# Altium PCB EL2086.PcbDoc (part 2 of 4)
Units mil, origin at the board's own origin, x right, y up, seen from the top; angles counter-clockwise.
Board outline 2480.31 x 1417.32 mil, 6 copper layers (L1_TOP, L2_GND, L3_HS, L4_POWER, L5_GND, L6_BOT), stack 61.6 mil thick; 259 components, 205 nets, 1000 pads, 534 vias.
Unrouted connection lines stored in the file: 92.
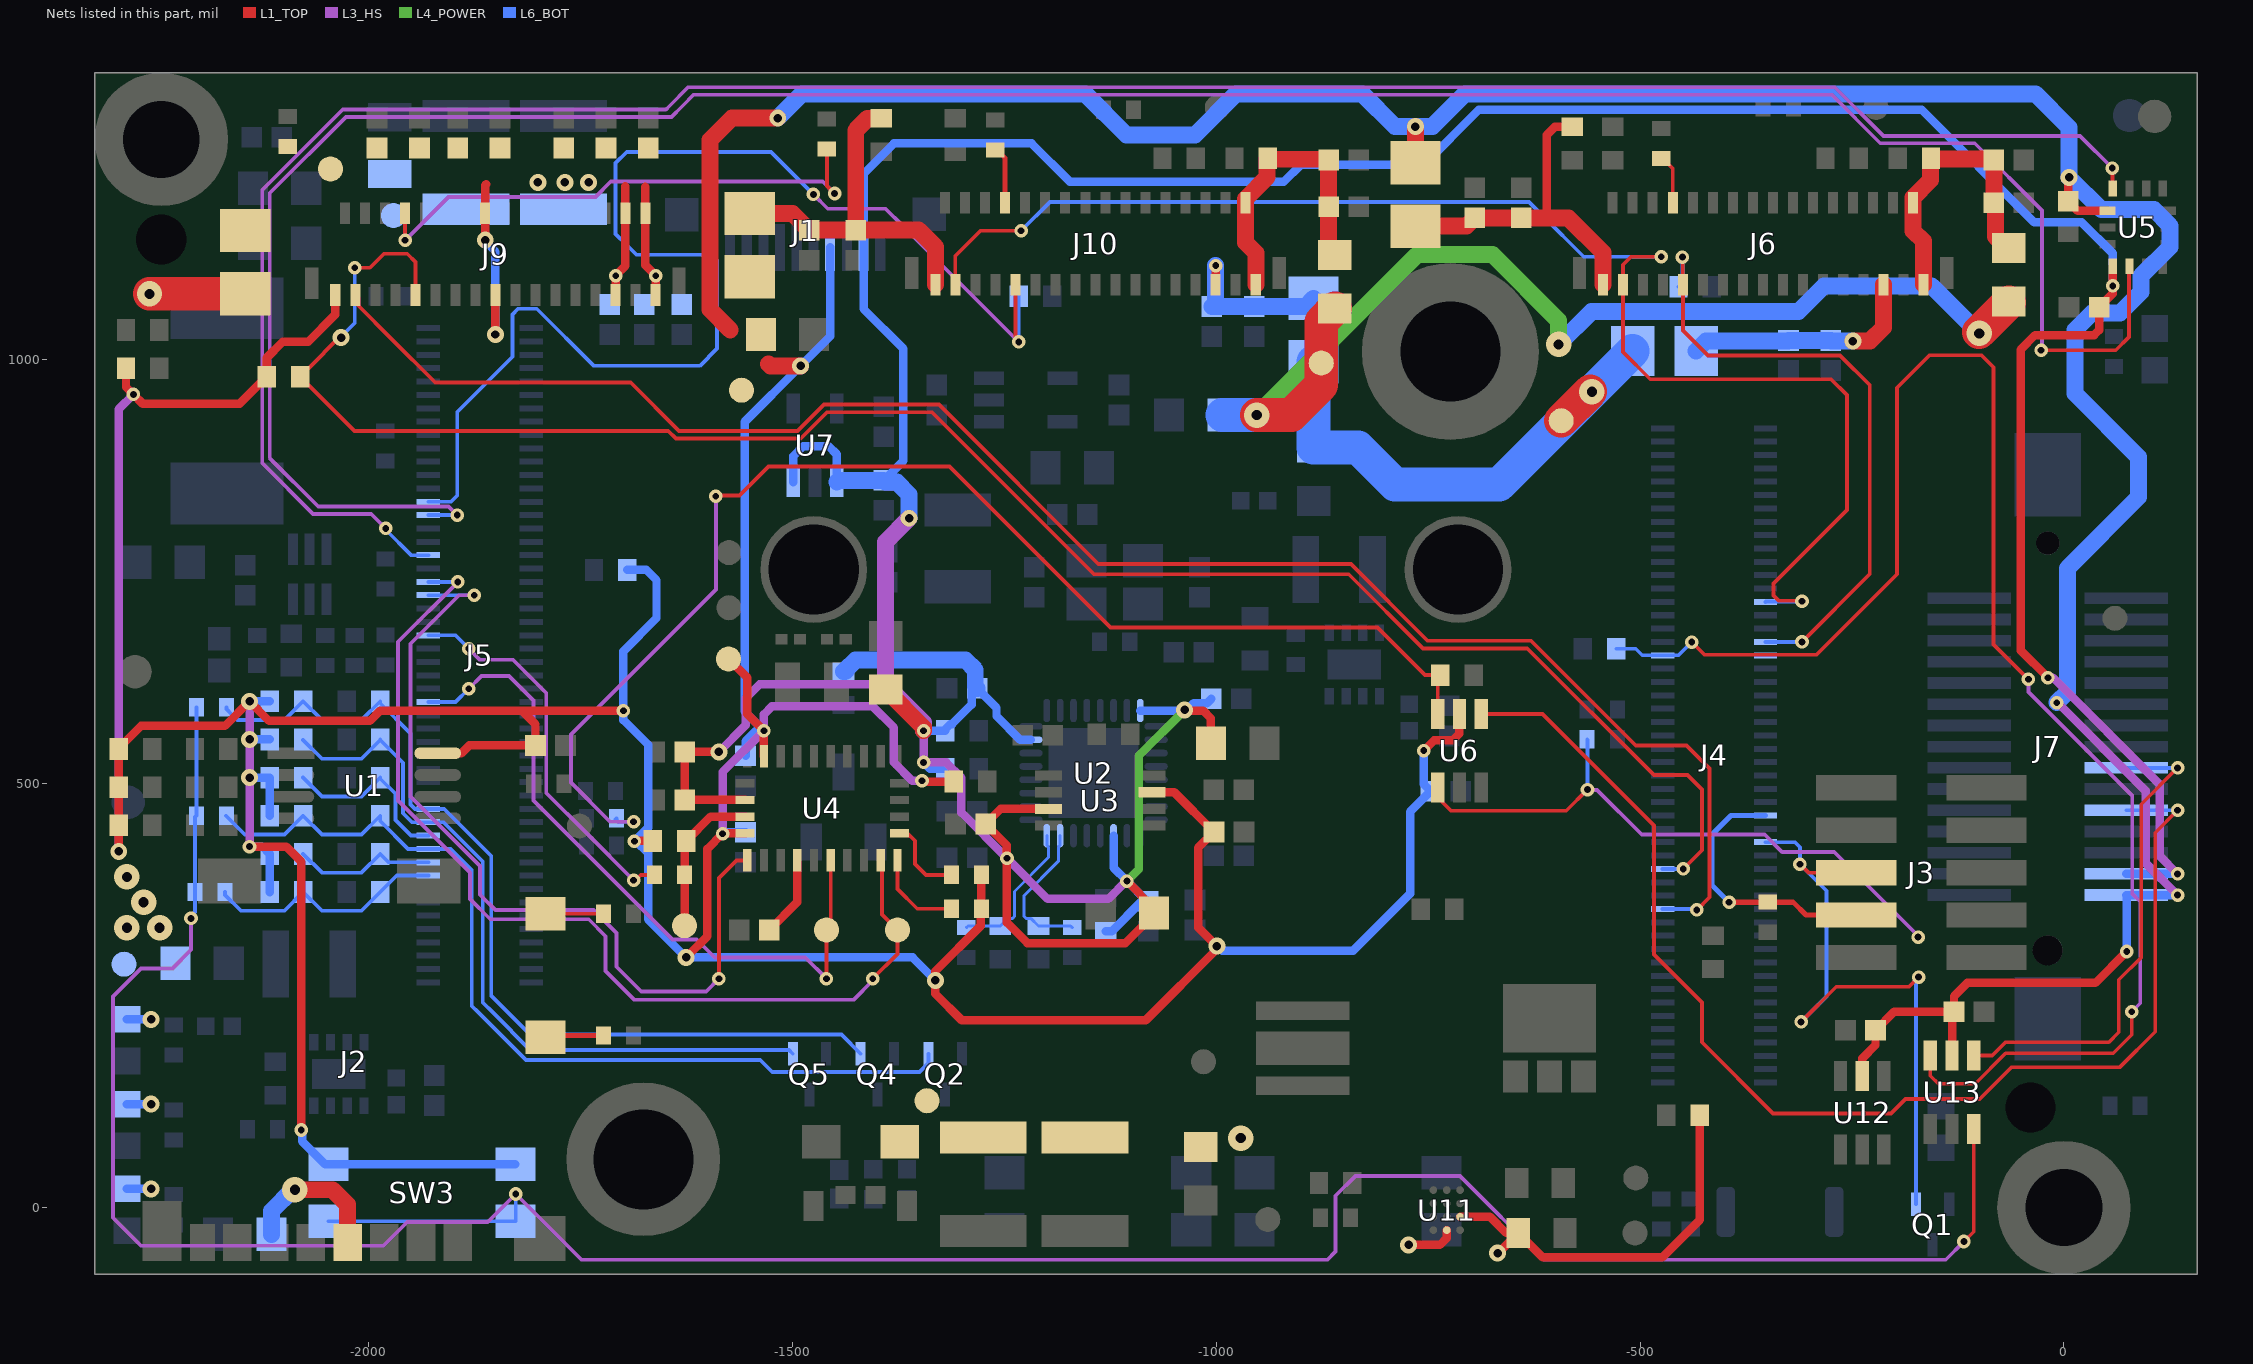
[diagram p6: the nets of this part, all layers, seen from the top]

## Footprints (in the part's own frame and the unit in brackets; to place one, negate y for a bottom-side part, rotate by r counter-clockwise, add the part's x,y. Pads: shape width x height; smd on the part's side, far side on the other; paste and mask are expansions set on the pad) (continued)
RTL8111Hx-CG [mm] "QFN, 32-Leads, Body 4.00x4.00mm, Pitch 0.40mm, Thermal Pad 2.70x2.70mm, IPC High Density"
  oval 0.7x0.2 smd mask+0.076: 1(-1.875,1.4) 2(-1.875,1) 3(-1.875,0.6) 4(-1.875,0.2) 5(-1.875,-0.2) 6(-1.875,-0.6) 7(-1.875,-1) 8(-1.875,-1.4) 17(1.875,-1.4) 18(1.875,-1) 19(1.875,-0.6) 20(1.875,-0.2) 21(1.875,0.2) 22(1.875,0.6) 23(1.875,1) 24(1.875,1.4)
  oval 0.2x0.7 smd mask+0.076: 9(-1.4,-1.875) 10(-1,-1.875) 11(-0.6,-1.875) 12(-0.2,-1.875) 13(0.2,-1.875) 14(0.6,-1.875) 15(1,-1.875) 16(1.4,-1.875) 25(1.4,1.875) 26(1,1.875) 27(0.6,1.875) 28(0.2,1.875) 29(-0.2,1.875) 30(-0.6,1.875) 31(-1,1.875) 32(-1.4,1.875)
  rect 2.7x2.7 smd paste-2 mask+0.076: 33(0,0)
  silkscreen extent -2.93,-2.15 2.15,2.15, body extent -2,-2 2,2, height 0.9
"SFH 4715AS" [mm] "OSLON Black Series (850 nm) - 80院ITEMGUID=B75731AB-EB05-4913-81CB-E99F8FC1D6BA"
  rect 2.8x0.55 smd: 1(0,-1.125) 2(0,1.125)
  rect 2.8x1 smd paste-1: 1(0,0)
  body extent -1.93,-1.93 1.93,1.93, height 2.4
SFV10R-2STE1HLF [mm] "CONN FFC TOP 10POS 0.50MM R/A"
  rect 0.305x1.405 smd: 1(-2.258,0.494) 1(-2.258,0.494) 2(-1.759,0.494) 3(-1.258,0.494) 4(-0.758,0.494) 5(-0.258,0.494) 6(0.242,0.494) 7(0.741,0.494) 8(1.242,0.494) 9(1.742,0.494) 10(2.242,0.494)
  rect 1x1 smd: 11(-3.707,-0.486) 12(3.708,-0.494)
  L1_TOP region: 3.942,-1.905 2.692,-1.905 2.692,0.395 3.942,0.395
  L1_TOP region: 5.341,-1.205 2.691,-1.205 2.691,-0.105 5.341,-0.105
  L1_TOP region: 4.641,-1.205 2.691,-1.205 2.691,0.395 4.641,0.395
  L1_TOP region: -4.658,0.394 -2.708,0.394 -2.708,-1.206 -4.658,-1.206
  L1_TOP region: -5.358,-0.105 -2.708,-0.105 -2.708,-1.205 -5.358,-1.205
  L1_TOP region: -3.958,0.395 -2.708,0.395 -2.708,-1.906 -3.958,-1.906
  Keep-Out Layer region: 5.594,-5.708 5.594,-3.973 -5.611,-3.973 -5.611,-5.708
  body extent -5.26,-4.01 5.24,0.89, height 1.82
SMD-0805 [mm] "Chip Inductor, 2-Leads, Body 2.0x1.2mm"
  rect 1.15x1 smd: 1(-1.175,0) 2(1.175,0)
  body extent -1,-0.6 1,0.6, height 0.89
SML_D1XX8W [mm] "Rohm LED SML_D1 series - Chip Diode, 2-Leads, Body 1.60x0.80mm, IPC High Density"
  rect 0.8x0.8 smd: 1(-0.625,0) 2(0.625,0)
  silkscreen extent -1.3,-0.5 -1.3,0.5, body extent -0.8,-0.4 0.8,0.4, height 0.6
TL3780AF240QG-Footprint-1 [mm]
  rrect50% 0.55x1.5 smd: 1(-1.625,0) 2(1.625,0)
  silkscreen extent -1.65,-1.22 1.65,1.22, body extent -1.75,-1 1.75,1, height 0.6
TLV62080DSG [mm] "WSON-8, 2.1mm x 2.1mm x 0.8mm"
  rect 0.5x0.28 smd mask+0.102: 1(-0.95,0.75) 2(-0.95,0.25) 3(-0.95,-0.25) 4(-0.95,-0.75) 5(0.95,-0.75) 6(0.95,-0.25) 7(0.95,0.25) 8(0.95,0.75)
  rect 0.9x1.6 smd mask+0.102: 9(0,0)
  silkscreen extent -1.4,1.07 -1.35,1.13, body extent -1.05,-1.05 1.05,1.05, height 0.8
TLV70018DCK [mm] "SC70-5 1.1mm"
  rect 0.4x0.9 smd paste-0.025 mask+0.05: 1(-0.65,-1.1) 2(0,-1.1) 3(0.65,-1.1) 4(0.65,1.1) 5(-0.65,1.1)
  silkscreen extent -1.17,-1.63 -1.12,-1.57, body extent -1.1,-1.2 1.1,1.2, height 1.1
TLV70028DCK [mm] "SC70-5 1.1mm"
  rect 0.4x0.9 smd paste-0.025 mask+0.05: 1(-0.65,-1.1) 2(0,-1.1) 3(0.65,-1.1) 4(0.65,1.1) 5(-0.65,1.1)
  silkscreen extent -1.17,-1.63 -1.12,-1.57, body extent -1.1,-1.2 1.1,1.2, height 1.1
TP075_150_NS [mm] "0.75mm dia pad, 1.5mm dia clearance, no silk screen"
  round 0.75 smd paste-2: 1(0,0)
TPS564247DRLR-Footprint-1 [mm]
  rect 0.95x0.3 smd: 1(-0.75,0.5) 2(-0.75,0) 3(-0.75,-0.5) 4(0.75,-0.5) 5(0.75,0) 6(0.75,0.5)
  silkscreen extent -1.22,1 -0.28,1, body extent -0.8,-0.8 0.8,0.8, height 0.6
TXS0102DCUR [mm] "TSSOP, 8-Leads, Body 2.00x2.30mm, Pitch 0.50mm"
  rect 0.8x0.3 smd mask+0.05: 1(-1.55,0.75) 2(-1.55,0.25) 3(-1.55,-0.25) 4(-1.55,-0.75) 5(1.55,-0.75) 6(1.55,-0.25) 7(1.55,0.25) 8(1.55,0.75)
  silkscreen extent -1.7,-1.05 0.8,1.55, body extent -1.55,-1.05 1.55,1.05, height 0.9
XDCR_BMI270 [mm]
  rect 0.475x0.25 smd: 1(-1.162,0.75) 2(-1.162,0.25) 3(-1.162,-0.25) 4(-1.162,-0.75) 8(1.162,-0.75) 9(1.162,-0.25) 10(1.162,0.25) 11(1.162,0.75)
  rect 0.25x0.475 smd: 5(-0.5,-0.913) 6(0,-0.913) 7(0.5,-0.913) 12(0.5,0.913) 13(0,0.913) 14(-0.5,0.913)
  silkscreen extent -2.07,-1.25 1.5,1.25, body extent -1.5,-1.25 1.5,1.25, height 0.87

## Part data
B1: library part CMP-011-00023-1, "Keypad Switch, 1 Switches, SPST, Momentary-tactile, 0.05A, 12VDC, 2.35N, Solder Terminal, Surface Mount-straight", Manufacturer 1=E-Switch, Manufacturer Part Number 1=TL3780AF240QG
C1 C3 C5 C7 C8: library part CMP-004-000020-4, "CAP CER 4.7UF 16V X5R 0603 10%", Case/Package=0603, Dielectric=X5R, Manufacturer 1=Murata, Max Operating Temperature=85°C, Min Operating Temperature=-55°C, Tolerance=10%, Voltage Rating=16V, ComponentLink1Description=https://datasheet.ciiva.com/14813/595grm188r61c475kaaj23-14813668.pdf?src-supplier=Arrow, ComponentLink1URL=https://datasheet.ciiva.com/14813/595grm188r61c475kaaj23-14813668.pdf?src-supplier=Arrow, Depth=0.8mm, Design Item ID=GRM188R61C475KAAJD, Height=0.8mm, Length=1.6mm, Manufacturer 2=Murata, Manufacturer 3=Murata, Manufacturer Part Number 1=GRM188R61C475KAAJD, Manufacturer Part Number 2=GRM188R61C475KAAJD, Manufacturer Part Number 3=GRM188R61C475KAAJD, Mounting Technology=SMT, Width=0.8mm
C2 C4 C6 C11 C12 C13 C14 C15 C16 C17 C18 C19 C20 C24 C26 C27 C30 C31 C33 C35 C37 C38 C39 C43 C48 C50 C100 C103 C106 C108 C110: library part CMP-108-000002-6, "CAP CER 0.1UF 16V X7R 0402 10%", Case/Package=0402, Dielectric=X7R, Manufacturer 1=Samsung, Max Operating Temperature=125°C, Min Operating Temperature=-55°C, Tolerance=10%, Voltage Rating=16V, ComponentLink1Description=https://datasheet.ciiva.com/25767/cl05b104ko5nfnc-25767124.pdf?src-supplier=Digi-Key, ComponentLink1URL=https://datasheet.ciiva.com/25767/cl05b104ko5nfnc-25767124.pdf?src-supplier=Digi-Key, Depth=0.5mm, Design Item ID=CL05B104KO5NFNC, Height=0.5mm, Length=1mm, Manufacturer Part Number 1=CL05B104KO5NFNC, Mounting Technology=SMT, Width=0.02inch
C9 C10 C40 C41 C44 C45: library part CMP-108-000014-5, "CAP CER 1UF 25V X5R 0402 10%", Case/Package=0402, Dielectric=X5R, Manufacturer 1=Murata, Max Operating Temperature=85°C, Min Operating Temperature=-55°C, Tolerance=10%, Voltage Rating=25V, ComponentLink1Description=https://datasheet.ciiva.com/22732/1666664-22732122.pdf?src-supplier=Element14, ComponentLink1URL=https://datasheet.ciiva.com/22732/1666664-22732122.pdf?src-supplier=Element14, ComponentLink2Description=https://datasheet.ciiva.com/7719/1666664-7719006.pdf?src-supplier=Element14, ComponentLink2URL=https://datasheet.ciiva.com/7719/1666664-7719006.pdf?src-supplier=Element14, Depth=0.5mm, Design Item ID=GRM155R61E105KA12D, Height=0.5mm, Length=1mm, Manufacturer Part Number 1=GRM155R61E105KA12D, Mounting Technology=SMT, Width=0.5mm
C21 C22: library part CMP-108-000006-6, "CAP CER 27PF 50V C0G 0402 5%", Case/Package=0402, Dielectric=C0G, Manufacturer 1=KEMET, Max Operating Temperature=125°C, Min Operating Temperature=-55°C, Tolerance=5%, Voltage Rating=50V, ComponentLink1Description=https://datasheet.ciiva.com/144/docfinderpartnumber-c0402c270j5gactu-144118.pdf?src-supplier=Digi-Key, ComponentLink1URL=https://datasheet.ciiva.com/144/docfinderpartnumber-c0402c270j5gactu-144118.pdf?src-supplier=Digi-Key, ComponentLink2Description=https://datasheet.ciiva.com/7747/kem-c1003-c0g-smd-7747509.pdf?src-supplier=Element14, ComponentLink2URL=https://datasheet.ciiva.com/7747/kem-c1003-c0g-smd-7747509.pdf?src-supplier=Element14, ComponentLink3Description=https://datasheet.ciiva.com/26847/getdatasheetpartid-408632-26847386.pdf?src-supplier=Verical, ComponentLink3URL=https://datasheet.ciiva.com/26847/getdatasheetpartid-408632-26847386.pdf?src-supplier=Verical, ComponentLink4Description=https://datasheet.ciiva.com/7392/1372242-7392237.pdf?src-supplier=Newark, ComponentLink4URL=https://datasheet.ciiva.com/7392/1372242-7392237.pdf?src-supplier=Newark, ComponentLink5Description=https://datasheet.ciiva.com/14586/70095383-14586671.pdf?src-supplier=Allied+Electronics, ComponentLink5URL=https://datasheet.ciiva.com/14586/70095383-14586671.pdf?src-supplier=Allied+Electronics, Depth=0.5mm, Design Item ID=C0402C270J5GACTU, Height=0.5mm, Length=1mm, Manufacturer Part Number 1=C0402C270J5GACTU, Mounting Technology=SMT, Width=0.5mm
C23 C25 C32 C34 C36 C56 C57 C60 C61 C62 C105 C107 C109: library part CMP-004-000009-5, "CAP CER 10UF 6.3V X5R 0402 20%", Case/Package=0402, Dielectric=X5R, Manufacturer 1=Murata, Max Operating Temperature=85°C, Min Operating Temperature=-55°C, Tolerance=20%, Voltage Rating=6.3V, ComponentLink1Description=https://www.murata.com/~/media/webrenewal/support/library/catalog/products/capacitor/mlcc/c02e.ashx?la=en-us&src-supplier=Digi-Key, ComponentLink1URL=https://www.murata.com/~/media/webrenewal/support/library/catalog/products/capacitor/mlcc/c02e.ashx?la=en-us&src-supplier=Digi-Key, Design Item ID=GRM155R60J106ME15D, Length=0.039inch, Manufacturer Part Number 1=GRM155R60J106ME15D, Mounting Technology=SMT, Width=0.02inch
C28 C29: library part CMP-004-000003-6, "CAP CER 18PF 25V C0G 0201 10%", Case/Package=0201, Dielectric=C0G, Manufacturer 1=Murata, Max Operating Temperature=125°C, Min Operating Temperature=-55°C, Tolerance=1%, Voltage Rating=25V, ComponentLink1Description=https://datasheet.ciiva.com/29538/partnumbering-e-01-29538328.pdf?src-supplier=Digi-Key, ComponentLink1URL=https://datasheet.ciiva.com/29538/partnumbering-e-01-29538328.pdf?src-supplier=Digi-Key, Design Item ID=GRM0335C1E180FA01D, Height=0.3mm, Length=0.024inch, Manufacturer Part Number 1=GRM0335C1E180FA01D, Mounting Technology=SMT, Width=0.3mm
C42 C47: library part CMP-001-00125-4, "CAP CER 10UF 10V X5R 0402 20%", Case/Package=0402, Dielectric=X5R, Manufacturer 1=Murata, Tolerance=20%, Voltage Rating=10V, Manufacturer Part Number 1=GRM155R61A106ME11D, Mounting Technology=SMT
C46 C49: library part CMP-001-00163-4, "CAP CER 22UF 6.3V X5R 0402 20%", Case/Package=0402, Manufacturer 1=Samsung, Tolerance=20%, Voltage Rating=6.3V, Manufacturer Part Number 1=CL05A226MQ5N6J8, Mounting Technology="Surface Mount"
C58 C59 C63 C64 C65: library part CMP-108-000015-5, "CAP CER 0.1UF 10V X7R 0402 5%", Case/Package=0402, Dielectric=X7R, Manufacturer 1=Murata, Max Operating Temperature=125°C, Min Operating Temperature=-55°C, Tolerance=5%, Voltage Rating=10V, ComponentLink1Description=https://datasheet.ciiva.com/5411/product-5411135.pdf?src-supplier=Mouser, ComponentLink1URL=https://datasheet.ciiva.com/5411/product-5411135.pdf?src-supplier=Mouser, ComponentLink2Description=https://datasheet.ciiva.com/11618/c02e-11618821.pdf?src-supplier=Avnet, ComponentLink2URL=https://datasheet.ciiva.com/11618/c02e-11618821.pdf?src-supplier=Avnet, Depth=0.5mm, Design Item ID=GRM155R71A104JA01D, Height=0.5mm, Length=1mm, Manufacturer Part Number 1=GRM155R71A104JA01D, Mounting Technology=SMT, Width=0.02inch
C66 C67 C81 C82: library part CMP-050-000000-4, "CAP TAL 150UF 10V 20%", Capacitor Type=Tantalum, Case/Package=1411, Manufacturer 1="Kyocera AVX", Max Operating Temperature=125°C, Min Operating Temperature=-55°C, Tolerance=20%, Voltage Rating=10V, ComponentLink1Description=https://datasheet.ciiva.com:443/pdfs/VipMasterIC/IC/AVXC/AVXC-S-A0008508048/AVXC-S-A0008508048-1.pdf?src-supplier=IHS+Markit, ComponentLink1URL=https://datasheet.ciiva.com:443/pdfs/VipMasterIC/IC/AVXC/AVXC-S-A0008508048/AVXC-S-A0008508048-1.pdf?src-supplier=IHS+Markit, ComponentLink2Description=https://datasheet.ciiva.com/264/tlj-264786.pdf?src-supplier=Digi-Key, ComponentLink2URL=https://datasheet.ciiva.com/264/tlj-264786.pdf?src-supplier=Digi-Key, ComponentLink3Description=https://datasheet.ciiva.com/264/tlj-264787.pdf?src-supplier=Digi-Key, ComponentLink3URL=https://datasheet.ciiva.com/264/tlj-264787.pdf?src-supplier=Digi-Key, ComponentLink4Description=https://datasheet.ciiva.com/264/tlj-264788.pdf?src-supplier=Digi-Key, ComponentLink4URL=https://datasheet.ciiva.com/264/tlj-264788.pdf?src-supplier=Digi-Key, ComponentLink5Description=https://datasheet.ciiva.com/46385/1910903-46385237.pdf?src-supplier=Element14, ComponentLink5URL=https://datasheet.ciiva.com/46385/1910903-46385237.pdf?src-supplier=Element14, ComponentLink6Description=https://datasheet.ciiva.com/28515/tlj-28515528.pdf?src-supplier=Element14, ComponentLink6URL=https://datasheet.ciiva.com/28515/tlj-28515528.pdf?src-supplier=Element14, ComponentLink7Description=https://datasheet.ciiva.com/7773/1533257-7773833.pdf?src-supplier=Element14, ComponentLink7URL=https://datasheet.ciiva.com/7773/1533257-7773833.pdf?src-supplier=Element14, ComponentLink8Description=https://datasheet.ciiva.com/14593/70001364-14593673.pdf?src-supplier=Allied+Electronics, ComponentLink8URL=https://datasheet.ciiva.com/14593/70001364-14593673.pdf?src-supplier=Allied+Electronics, ComponentLink9Description=https://datasheet.ciiva.com/14606/70001364-14606409.pdf?src-supplier=Allied+Electronics, ComponentLink9URL=https://datasheet.ciiva.com/14606/70001364-14606409.pdf?src-supplier=Allied+Electronics, ComponentLink10Description=https://datasheet.ciiva.com/7773/1533257-7773834.pdf?src-supplier=Element14, ComponentLink10URL=https://datasheet.ciiva.com/7773/1533257-7773834.pdf?src-supplier=Element14, ComponentLink11Description=https://datasheet.ciiva.com/11229/tlj-11229389.pdf?src-supplier=Avnet, ComponentLink11URL=https://datasheet.ciiva.com/11229/tlj-11229389.pdf?src-supplier=Avnet, ComponentLink12Description=https://datasheet.ciiva.com/17339/tlj-17339422.pdf?src-supplier=Avnet+Europe, ComponentLink12URL=https://datasheet.ciiva.com/17339/tlj-17339422.pdf?src-supplier=Avnet+Europe, Design Item ID=TLJB157M010R0500, Height=1.9mm, Length=3.5mm, Manufacturer Part Number 1=TLJB157M010R0500, Mounting Technology=SMT, Polarity=Polarized, Width=2.8mm
C77 C78: library part CMP-004-000018-4, "CAP CER 10UF 10V X5R 0603 20%", Case/Package=0603, Dielectric=X5R, Manufacturer 1=Murata, Max Operating Temperature=85°C, Min Operating Temperature=-55°C, Tolerance=20%, Voltage Rating=10V, ComponentLink1Description=http://www.mouser.com/ds/2/281/c02e-2905.pdf?src-supplier=Mouser, ComponentLink1URL=http://www.mouser.com/ds/2/281/c02e-2905.pdf?src-supplier=Mouser, ComponentLink2Description=http://components.arrow.com/part/dataview/0323_06119472?src-supplier=Arrow+Europe, ComponentLink2URL=http://components.arrow.com/part/dataview/0323_06119472?src-supplier=Arrow+Europe, ComponentLink3Description=http://www.farnell.com/datasheets/2048014.pdf?src-supplier=Farnell, ComponentLink3URL=http://www.farnell.com/datasheets/2048014.pdf?src-supplier=Farnell, ComponentLink4Description=http://www.farnell.com/datasheets/1872210.pdf?src-supplier=Farnell, ComponentLink4URL=http://www.farnell.com/datasheets/1872210.pdf?src-supplier=Farnell, ComponentLink5Description=http://search.murata.co.jp/Ceramy/image/img/A01X/G101/ENG/GRM188R61A106ME69-01.pdf?src-supplier=Digi-Key, ComponentLink5URL=http://search.murata.co.jp/Ceramy/image/img/A01X/G101/ENG/GRM188R61A106ME69-01.pdf?src-supplier=Digi-Key, ComponentLink6Description=http://www.farnell.com/datasheets/1872210.pdf?src-supplier=Newark, ComponentLink6URL=http://www.farnell.com/datasheets/1872210.pdf?src-supplier=Newark, ComponentLink7Description=http://www.farnell.com/datasheets/2048014.pdf?src-supplier=Element14, ComponentLink7URL=http://www.farnell.com/datasheets/2048014.pdf?src-supplier=Element14, ComponentLink8Description=http://www.farnell.com/datasheets/2048014.pdf?src-supplier=Newark, ComponentLink8URL=http://www.farnell.com/datasheets/2048014.pdf?src-supplier=Newark, Depth=0.8mm, Design Item ID=GRM188R61A106ME69D, Height=0.8mm, Length=1.6mm, Manufacturer Part Number 1=GRM188R61A106ME69D, Mounting Technology=SMT, Width=0.8mm
C80 C83 C101 C102: library part CMP-108-000020-4, "CAP CER 22UF 10V X5R 0603 20%", Case/Package=0603, Dielectric=X5R, Manufacturer 1=Murata, Max Operating Temperature=85°C, Min Operating Temperature=-55°C, Tolerance=20%, Voltage Rating=10V, ComponentLink1Description=https://datasheet.ciiva.com/46444/1769893-46444975.pdf?src-supplier=Element14, ComponentLink1URL=https://datasheet.ciiva.com/46444/1769893-46444975.pdf?src-supplier=Element14, Depth=0.8mm, Design Item ID=GRM188R61A226ME15D, Height=0.8mm, Length=1.6mm, Manufacturer Part Number 1=GRM188R61A226ME15D, Mounting Technology=SMT, Width=0.8mm
C104: library part CMP-001-00100-6, "CAP CER 33pF 50V C0G 0402 5%", Capacitor Type=Ceramic, Case/Package=0402, Dielectric=C0G, Manufacturer 1=Murata, Tolerance=5%, Voltage Rating=50V, Manufacturer Part Number 1=GCM1555C1H330JA16D, Mounting Technology=SMT
D1: library part CMP-111-000003-2, "LED ORANGE DIFFUSED 0603 SMD Orange 605nm LED Indication - Discrete 2.2V 0603 (1608 Metric)", Case/Package=0603, Color=Orange, Forward Current=20mA, Forward Voltage=2.2V, Manufacturer 1=Rohm, Max Operating Temperature=85°C, Min Operating Temperature=-40°C, Manufacturer Part Number 1=SML-D12D8WT86
D2: library part CMP-111-000005-2, "LED RED DIFFUSED 0603 SMD Red 620nm LED Indication - Discrete 2.2V 0603 (1608 Metric)", Case/Package=0603, Color=Red, Forward Current=20mA, Forward Voltage=2.2V, Manufacturer 1=Rohm, Max Operating Temperature=85°C, Min Operating Temperature=-40°C, Manufacturer Part Number 1=SML-D12U8WT86
D3: library part CMP-007-00038-2, "Triple Color LED", Case/Package=1204, Colour=RGB, Forward Current=20mA, Manufacturer 1="Wurth Elektronik", Max Current Rating=30mA, Manufacturer Part Number 1=155124M173200, Viewing Angle=120°
D4 D18 D19: library part CMP-111-000004-2, "LED GREEN DIFFUSED 0603 SMD Green 572nm LED Indication - Discrete 2.2V 0603 (1608 Metric)", Case/Package=0603, Color=Green,Yellow, Forward Current=20mA, Forward Voltage=2.2V, Manufacturer 1=Rohm, Max Operating Temperature=85°C, Min Operating Temperature=-40°C, Manufacturer Part Number 1=SML-D12M8WT86
D7: library part CMP-004-00032-3, "Dot-Pattern Infrared Illuminator for 3D Stereoscopic / Imaging AQAA-20", Manufacturer Part Number 1="Belago1.1 AQAA-20"
D8: library part CMP-004-00043-2, "OSLON Black Series (940 nm) - 80°", Manufacturer Part Number 1="SFH 4725AS A01"
FB1 FB2 FB3 FB4 FB5: library part CMP-082-000000-2, "FERRITE BEAD, 0.1OHM, 2A, 0805, 600R/100MHz", Case/Package=0805, Current Rating=2A, Manufacturer 1=Fair-Rite, Tolerance=25%, Manufacturer Part Number 1=2508056017Y2
FID1 FID2 FID3 FID4: library part FIDUCIAL, "Fiducial with various available footprints"
J1: library part CMP-005-000024-3, "CONN FFC TOP 10POS 0.50MM R/A", Manufacturer 1="Amphenol FCI", Max Operating Temperature=105°C, Min Operating Temperature=-55°C, Voltage Rating=50V, Gender=Female, Manufacturer Part Number 1=SFV10R-2STE1HLF, Mount="Surface Mount", Orientation="Right Angle", Pins=10, Pitch=0.5mm
J2: library part 104031-0811, "CONN MICRO SD CARD PUSH-PULL R/A", Manufacturer 1=Molex, Supplier Part Number 1=WM6357CT-ND, Manufacturer Part Number 1=104031-0811, Pricing 1="1=2.02000, 10=1.82900, 25=1.71680, 50=1.64220, 100=1.56760, 250=1.41828, 500=1.30630, 1000=1.11969 (USD)", RoHS=Yes, Stock 1=19400, Supplier 1=Digi-Key, Supplier 2=Newark, Supplier 3=Mouser, Supplier Part Number 2=99R5410, Supplier Part Number 3=538-104031-0811
J3: "CONN HEADER SMD 10POS 1.27MM", Color=Black, Contact Resistance=30mR, Manufacturer 1="Amphenol FCI", Max Operating Temperature=85°C, Max Voltage Rating (AC)=125V, Min Operating Temperature=-40°C, Package Quantity=93, Supplier Part Number 1=609-6529-ND, ComponentLink1Description=https://datasheet.ciiva.com/18659/20021121-18659066.pdf?src-supplier=Digi-Key, ComponentLink1URL=https://datasheet.ciiva.com/18659/20021121-18659066.pdf?src-supplier=Digi-Key, ComponentLink2Description=https://datasheet.ciiva.com/10033/20021121-10033582.pdf?src-supplier=Avnet, ComponentLink2URL=https://datasheet.ciiva.com/10033/20021121-10033582.pdf?src-supplier=Avnet, Connector Type="Male Pin", Contact Material="Copper Alloy", Contact Mating Length=0.12inch, Contact Plating=Gold, Depth=3.4mm, Housing Color=Black, Housing Material=Thermoplastic, Length=6.35mm, Manufacturer Part Number 1=20021121-00010T1LF, Mount="Surface Mount", Number of Contacts=10, Number of Positions=10, Number of Rows=2, Orientation=Straight, Packaging=Rail/Tube, Pitch=1.27mm, Pricing 1="1=0.77000, 10=0.71800, 100=0.55040, 500=0.47860, 1000=0.39485, 5000=0.34699, 10000=0.32306 (USD)", RoHS=Yes, Row Spacing=0.05inch, Stock 1=1465, Supplier 1=Digi-Key, Supplier 2=Mouser, Supplier 3=TTI, Supplier Part Number 2=649-200211210010T1LF, Supplier Part Number 3=20021121-00010T1LF, Termination=Solder
J4: library part CMP-005-000052-4, "OAK-SoM-Pro base board conn. A", Manufacturer 1=Hirose, Manufacturer Part Number 1=DF40HC(3.0)-100DS-0.4V(58), Package Quantity=1000, ComponentLink1Description=https://datasheet.ciiva.com/46636/ed-df40-20140305-46636517.pdf?src-supplier=Digi-Key, ComponentLink1URL=https://datasheet.ciiva.com/46636/ed-df40-20140305-46636517.pdf?src-supplier=Digi-Key, ComponentLink2Description=https://datasheet.ciiva.com/18562/ed-df40-20140305-18562189.pdf?src-supplier=Digi-Key, ComponentLink2URL=https://datasheet.ciiva.com/18562/ed-df40-20140305-18562189.pdf?src-supplier=Digi-Key, ComponentLink3Description=https://datasheet.ciiva.com/13559/ed-df40-20140305-13559540.pdf?src-supplier=Mouser, ComponentLink3URL=https://datasheet.ciiva.com/13559/ed-df40-20140305-13559540.pdf?src-supplier=Mouser, ComponentLink4Description=https://datasheet.ciiva.com/18562/ed-df40-20140305-18562462.pdf?src-supplier=Digi-Key, ComponentLink4URL=https://datasheet.ciiva.com/18562/ed-df40-20140305-18562462.pdf?src-supplier=Digi-Key, Connector Type=Receptacle, Contact Plating=Gold, Design Item ID=DF40HC(3.0)-100DS-0.4V_SoM-PRO_A, Lead Free="Lead Free", Mount="Surface Mount", Number of Positions=100, Number of Rows=2, Packaging="Tape and Reel", Pins=100, Pitch=0.016inch, Pricing 1="1=2.54000, 10=2.26000, 25=2.07000, 50=2.07000, 100=1.98000, 250=1.79000, 500=1.65000, 1000=1.41000, 3000=1.32000, 6000=1.23000, 10000=1.23000 (USD)", Pricing 2="1=2.50000, 10=2.40000, 25=2.10000, 50=2.10000, 100=2.00000, 250=1.76000, 500=1.71000, 1000=1.45000, 2000=1.36000, 5000=1.31000, 10000=1.31000 (USD)", RoHS=Yes, Source=LuxonisMaster.SchLib, Stock 1=2172, Stock 2=2078, System=Connector
J5: library part CMP-005-000053-5, "OAK-SoM-Pro base board conn. B", Manufacturer 1=Hirose, Manufacturer Part Number 1=DF40HC(3.0)-100DS-0.4V(58), Package Quantity=1000, ComponentLink1Description=https://datasheet.ciiva.com/46636/ed-df40-20140305-46636517.pdf?src-supplier=Digi-Key, ComponentLink1URL=https://datasheet.ciiva.com/46636/ed-df40-20140305-46636517.pdf?src-supplier=Digi-Key, ComponentLink2Description=https://datasheet.ciiva.com/18562/ed-df40-20140305-18562189.pdf?src-supplier=Digi-Key, ComponentLink2URL=https://datasheet.ciiva.com/18562/ed-df40-20140305-18562189.pdf?src-supplier=Digi-Key, ComponentLink3Description=https://datasheet.ciiva.com/13559/ed-df40-20140305-13559540.pdf?src-supplier=Mouser, ComponentLink3URL=https://datasheet.ciiva.com/13559/ed-df40-20140305-13559540.pdf?src-supplier=Mouser, ComponentLink4Description=https://datasheet.ciiva.com/18562/ed-df40-20140305-18562462.pdf?src-supplier=Digi-Key, ComponentLink4URL=https://datasheet.ciiva.com/18562/ed-df40-20140305-18562462.pdf?src-supplier=Digi-Key, Connector Type=Receptacle, Contact Plating=Gold, Design Item ID=DF40HC(3.0)-100DS-0.4V_SoM-PRO_B, Lead Free="Lead Free", Mount="Surface Mount", Number of Positions=100, Number of Rows=2, Packaging="Tape and Reel", Pins=100, Pitch=0.016inch, Pricing 1="1=2.54000, 10=2.26000, 25=2.07000, 50=2.07000, 100=1.98000, 250=1.79000, 500=1.65000, 1000=1.41000, 3000=1.32000, 6000=1.23000, 10000=1.23000 (USD)", Pricing 2="1=2.50000, 10=2.40000, 25=2.10000, 50=2.10000, 100=2.00000, 250=1.76000, 500=1.71000, 1000=1.45000, 2000=1.36000, 5000=1.31000, 10000=1.31000 (USD)", RoHS=Yes, Source=LuxonisMaster.SchLib, Stock 1=2172, Stock 2=2078, System=Connector
J6 J10: library part AC_PY003-OV9282_CON, "FFC/FPC Connector, 33 Contact(s), 1 Row(s), Female, Right Angle, Surface Mount Terminal", Manufacturer 1=Hirose, Supplier Part Number 1=H125800CT-ND, Category="FFC / FPC", ComponentLink1Description=https://datasheet.ciiva.com:443/pdfs/VipMasterIC/IC/HIRO/HIRO-S-A0007913874/HIRO-S-A0008593114-1.pdf?src-supplier=IHS+Markit, ComponentLink1URL=https://datasheet.ciiva.com:443/pdfs/VipMasterIC/IC/HIRO/HIRO-S-A0007913874/HIRO-S-A0008593114-1.pdf?src-supplier=IHS+Markit, ComponentLink2Description=https://www.hirose.com/product/en/download_file/key_name/FH26/category/Catalog/doc_file_id/49355/?file_category_id=4&item_id=298&is_series=1&src-supplier=Digi-Key, ComponentLink2URL=https://www.hirose.com/product/en/download_file/key_name/FH26/category/Catalog/doc_file_id/49355/?file_category_id=4&item_id=298&is_series=1&src-supplier=Digi-Key, ComponentLink3Description=https://www.hirose.com/product/download/?distributor=digikey&amp;type=2d&amp;lang=en&amp;num=FH26W-13S-0.3SHW(60)&src-supplier=Digi-Key, ComponentLink3URL=https://www.hirose.com/product/download/?distributor=digikey&amp;type=2d&amp;lang=en&amp;num=FH26W-13S-0.3SHW(60)&src-supplier=Digi-Key, Manufacturer Part Number 1=FH26W-33S-0.3SHW(60), Pricing 1="1=1,78000, 10=1,61700, 25=1,51800, 50=1,45200, 100=1,38600, 250=1,25400, 500=1,15500, 1000=0,99000, 2500=0,92400 (USD)", RoHS=Yes, Stock 1=627, Supplier 1=Digi-Key
J7: library part CMP-002-00150-2, "CONN, Board-to-Board Connector, Mezzanine, 0.635mm pitch, 2x15, 30 positions, Receptacle, Mated height 12 to 16mm", Manufacturer 1=Molex, Max Current Rating=500mA, Max Operating Temperature=105°C, Min Operating Temperature=-55°C, Voltage Rating=100V, Connector Type="BOARD STACKING CONNECTOR", Manufacturer Part Number 1=529010374, Mounting Technology=Board, Pins=2x15
J9: library part CMP-002-00132-2, "FFC/FPC Connector, 33 Contact(s), 1 Row(s), Female, Right Angle, Surface Mount Terminal", Manufacturer 1=Hirose, Manufacturer Part Number 1=FH26W-33S-0.3SHW(60), Category="FFC / FPC", ComponentLink1Description=https://datasheet.ciiva.com:443/pdfs/VipMasterIC/IC/HIRO/HIRO-S-A0007913874/HIRO-S-A0008593114-1.pdf?src-supplier=IHS+Markit, ComponentLink1URL=https://datasheet.ciiva.com:443/pdfs/VipMasterIC/IC/HIRO/HIRO-S-A0007913874/HIRO-S-A0008593114-1.pdf?src-supplier=IHS+Markit, ComponentLink2Description=https://www.hirose.com/product/en/download_file/key_name/FH26/category/Catalog/doc_file_id/49355/?file_category_id=4&item_id=298&is_series=1&src-supplier=Digi-Key, ComponentLink2URL=https://www.hirose.com/product/en/download_file/key_name/FH26/category/Catalog/doc_file_id/49355/?file_category_id=4&item_id=298&is_series=1&src-supplier=Digi-Key, ComponentLink3Description=https://www.hirose.com/product/download/?distributor=digikey&amp;type=2d&amp;lang=en&amp;num=FH26W-13S-0.3SHW(60)&src-supplier=Digi-Key, ComponentLink3URL=https://www.hirose.com/product/download/?distributor=digikey&amp;type=2d&amp;lang=en&amp;num=FH26W-13S-0.3SHW(60)&src-supplier=Digi-Key, Design Item ID=AC_PY004-IMX378_CON, Pins=33, Pricing 1="1=1,78000, 10=1,61700, 25=1,51800, 50=1,45200, 100=1,38600, 250=1,25400, 500=1,15500, 1000=0,99000, 2500=0,92400 (USD)", RoHS=Yes, Source=LuxonisMaster.SchLib, Stock 1=627
L1: library part CMP-112-000003-2, "FIXED IND 2.2UH 610MA 97MOHM SMD", Case/Package=Nonstandard, Current Rating=610mA, Manufacturer 1=Murata, Self Resonant Frequency=75MHz, Tolerance=5%, Manufacturer Part Number 1=LQH32NH2R2J23L
L2 L3: library part CMP-082-000001-2, "FIXED IND 1UH 3.2A 42 MOHM SMD", Case/Package=1008, Current Rating=4.3A, Manufacturer=Murata, Manufacturer Part Number=DFE252012P-1R0M=P2, Tolerance=20%, Manufacturer 1=Murata, Manufacturer 2=Murata, Manufacturer 3=Murata, Manufacturer 4=Murata, Manufacturer Part Number 1=DFE252012P-1R0M=P2, Manufacturer Part Number 2=DFE252012P-1R0M=P2, Manufacturer Part Number 3=DFE252012P-1R0M=P2, Manufacturer Part Number 4=DFE252012P-1R0M=P2
L4: library part CMP-006-00026-2, "Ferrite Chip, 1 Function(s), 3A, 2 Pin(s)", Case/Package=0805, Current Rating=3A, Manufacturer 1="Wurth electronic", Manufacturer Part Number 1=742792011
L6: library part CMP-006-00052-1, "General Purpose Inductor, 1.5uH, 20%, 1 Element, Powdered Iron-Core, SMD, 2826", Case/Package=2826, Current Rating=11A, Manufacturer 1=Bourns, Tolerance=20%, Manufacturer Part Number 1=SRP6540-1R5M, Saturation Current=11A
MTG1 MTG2: library part CMP-090-000000-4, "Spacers/Standoffs", Manufacturer 1="Wurth Electronics", Manufacturer Part Number 1=9774030943R
Q1 Q2 Q4 Q5: library part CMP-014-000021-1, "VISHAY - SI1062X-T1-GE3 - MOSFET Transistor, N Channel, 530 mA, 20 V, 0.35 ohm, 4.5 V, 1 V", Case/Package=SOT-89, Continuous Drain Current (ID)=200mA, Drain to Source Breakdown Voltage=20V, Drain to Source Resistance=350mR, Drain-source On Resistance-Max=420mR, Gate to Source Voltage (Vgs)=8V, Input Capacitance=25pF, Manufacturer 1=Rohm, Manufacturer 2="Vishay Siliconix", Manufacturer Part Number 2=SI1062X-T1-GE3, Max Operating Temperature=150°C, Max Power Dissipation=150mW, Min Operating Temperature=-55°C, Package Quantity=3000, Power Dissipation=220mW, Threshold Voltage=1V, Category=MOSFETs, ComponentLink1Description=http://www.mouser.com/ds/2/348/re1c002untcl-e-1018231.pdf?src-supplier=Mouser, ComponentLink1URL=http://www.mouser.com/ds/2/348/re1c002untcl-e-1018231.pdf?src-supplier=Mouser, ComponentLink2Description=http://rohmfs.rohm.com/en/techdata_basic/transistor/taping/EMT3_TL_taping.pdf?src-supplier=Digi-Key, ComponentLink2URL=http://rohmfs.rohm.com/en/techdata_basic/transistor/taping/EMT3_TL_taping.pdf?src-supplier=Digi-Key, ComponentLink3Description=http://rohmfs.rohm.com/en/products/databook/datasheet/discrete/transistor/mosfet/re1c002un.pdf?src-supplier=Avnet, ComponentLink3URL=http://rohmfs.rohm.com/en/products/databook/datasheet/discrete/transistor/mosfet/re1c002un.pdf?src-supplier=Avnet, ComponentLink4Description=https://www.rohm.com/datasheet/RE1C002UN/re1c002untcl-e?src-supplier=Digi-Key, ComponentLink4URL=https://www.rohm.com/datasheet/RE1C002UN/re1c002untcl-e?src-supplier=Digi-Key, ComponentLink5Description=http://www.farnell.com/datasheets/2704376.pdf?src-supplier=Newark, ComponentLink5URL=http://www.farnell.com/datasheets/2704376.pdf?src-supplier=Newark, ComponentLink6Description=http://www.farnell.com/datasheets/2704376.pdf?src-supplier=Farnell, ComponentLink6URL=http://www.farnell.com/datasheets/2704376.pdf?src-supplier=Farnell, ComponentLink7Description=http://www.farnell.com/datasheets/2704376.pdf?src-supplier=Element14, ComponentLink7URL=http://www.farnell.com/datasheets/2704376.pdf?src-supplier=Element14, ComponentLink8Description=https://datasheet.ciiva.com/6376/si1062x-6376310.pdf?src-supplier=Digi-Key, ComponentLink8URL=https://datasheet.ciiva.com/6376/si1062x-6376310.pdf?src-supplier=Digi-Key, ComponentLink9Description=https://datasheet.ciiva.com/24011/si1062x-256537-24011195.pdf?src-supplier=Mouser, ComponentLink9URL=https://datasheet.ciiva.com/24011/si1062x-256537-24011195.pdf?src-supplier=Mouser, ComponentLink10Description=https://datasheet.ciiva.com/6376/si1062x-6376251.pdf?src-supplier=Digi-Key, ComponentLink10URL=https://datasheet.ciiva.com/6376/si1062x-6376251.pdf?src-supplier=Digi-Key, Design Item ID=RE1C002UNTCL, Drain to Source Voltage (Vdss)=20V, Element Configuration=Single, Fall Time=11ns, Lead Free="Lead Free", Manufacturer Part Number 1=RE1C002UNTCL, Mount="Surface Mount", Number of Channels=1, Number of Elements=1, Number of Pins=3, On-State Resistance=420mR, Packaging="Tape and Reel", Polarity=N-CHANNEL, Pricing 1="1=0.20000, 10=0.18200, 100=0.09930, 500=0.06112, 1000=0.04167 (USD)", Pricing 2="1=0,47000, 10=0,33100, 25=0,30800, 100=0,16720, 500=0,13640, 1000=0,10120 (USD)", Rds On Max=1.2R, REACH SVHC="No SVHC", Rise Time=14ns, RoHS=Yes, RoHS Compliant=Yes, Series=TrenchFET®, Source=LuxonisMaster.SchLib, Stock 1=868886, Stock 2=28076, Turn-Off Delay Time=16ns, Turn-On Delay Time=2ns, Weight=0.001058oz